# Altium PCB pixracer_pcb_layout_v2.PcbDoc (part 3 of 3)
Units mm, origin at the board's own origin, x right, y up, seen from the top; angles counter-clockwise.
Board outline 44.45 x 44.45 mm, 4 copper layers (Top Layer, Mid Layer 1, Mid Layer 2, Bottom Layer), stack 0.603 mm thick; 139 components, 139 nets, 560 pads, 204 vias.
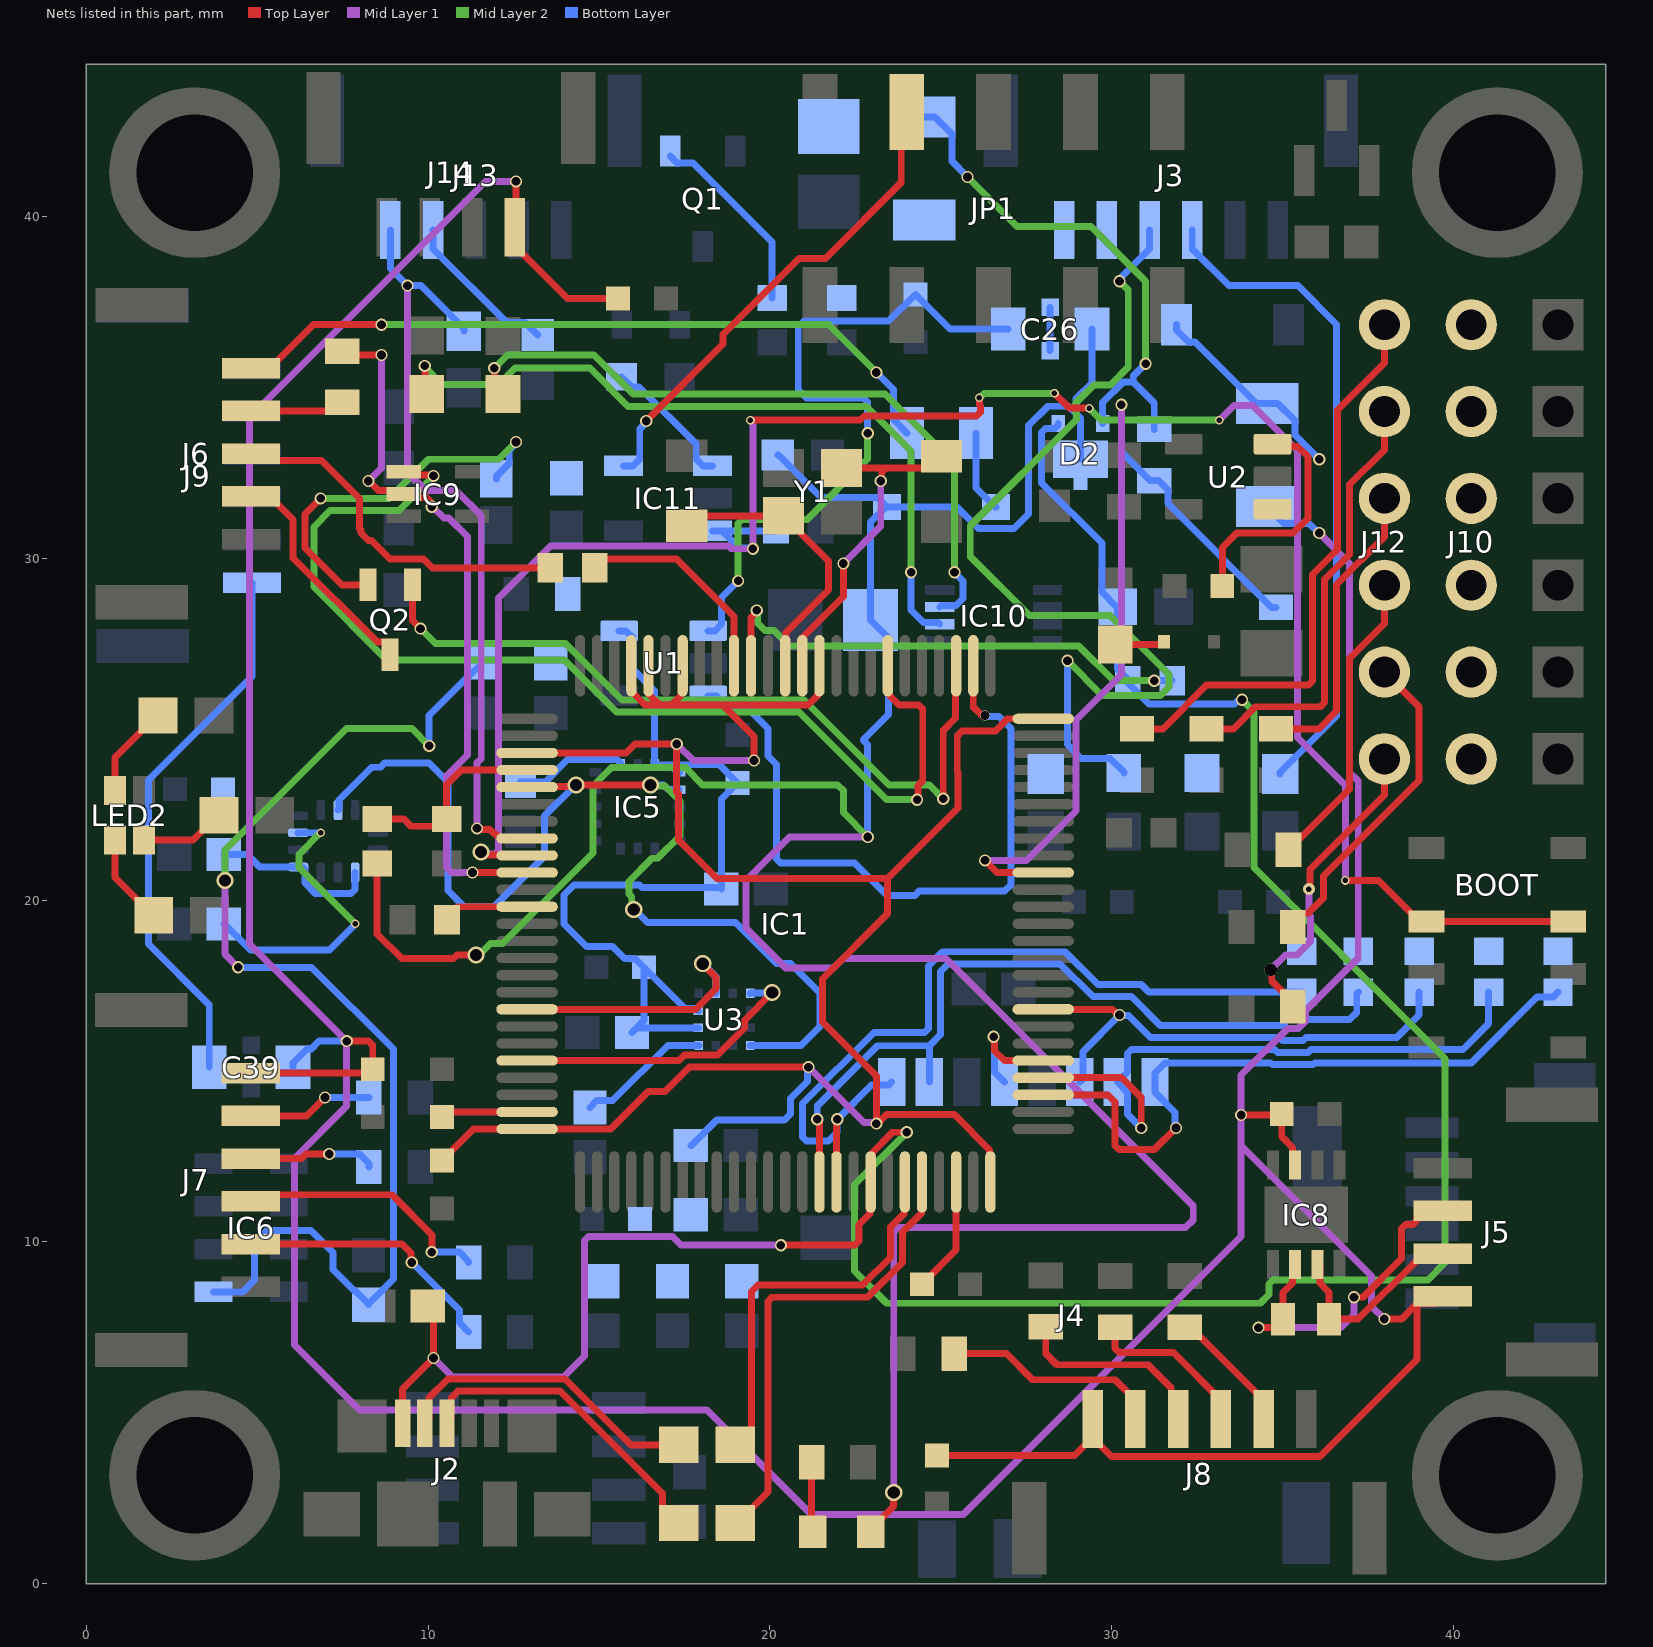
[diagram p5: the nets of this part, all layers, seen from the top]

## Via types
v1: diameter 0.356, hole 0.254, Top Layer to Bottom Layer, tented both sides, 160 vias
v2: diameter 0.5, hole 0.356, Top Layer to Bottom Layer, tented both sides, 26 vias
v3: diameter 0.254, hole 0.16, Top Layer to Bottom Layer, tented both sides, 11 vias
v4: diameter 0.356, hole 0.16, Top Layer to Bottom Layer, tented both sides, 2 vias
v5: diameter 0.3, hole 0.254, Top Layer to Bottom Layer, tented both sides, 2 vias
v6: diameter 0.356, hole 0.356, Top Layer to Bottom Layer, tented both sides, 1 vias
v7: diameter 0.35, hole 0.25, Top Layer to Bottom Layer, tented both sides, 1 vias
v8: diameter 0.35, hole 0.254, Top Layer to Bottom Layer, tented both sides, 1 vias

## Nets (pads, with @x,y where several pads share a name; then routed paths per layer and width w, separated by ;. In a path a pad name is that pad's centre, name@x,y a point inside that pad or via, vN(x,y) a via of type N, cw(c..) or ccw(c..) an arc to the next point about the centre after c; other vN are vias at no path point) (continued)
MPU9250_SCK: IC1.30 IC5.2 pad.13 U3.1 | length 32.9
  Top Layer w0.203: IC1.30@12.897,23.304 12.916,23.323 14.269,23.323 14.351,23.241 14.351,23.253 14.466,23.368 v2(16.51,23.368) ; v2(14.329,23.368) v2@14.404,23.294
  Mid Layer 2 w0.203: v2(16.016,19.725) 15.959,19.782 15.959,20.094 15.875,20.178 15.875,20.545 16.553,21.223 16.716,21.223 17.364,21.871 17.364,22.903 16.928,23.339 16.539,23.339 v2(16.51,23.368)
  Bottom Layer w0.203: pad.13@7.366,22.632 7.39,22.655 7.39,22.93 8.344,23.884 8.606,23.884 8.725,24.003 10.032,24.003 10.058,23.977 10.061,23.977 10.582,23.456 10.582,20.279 11.057,19.804 11.93,19.804 13.408,21.282 13.408,22.466 14.31,23.368 v2(14.329,23.368) ; v2(16.016,19.725) 16.043,19.725 16.422,19.347 18.994,19.347 20.194,18.147 20.6,18.147 21.463,17.284 21.463,16.296 20.915,15.747 U3.1@19.419,15.747 ; v2(16.51,23.368) 16.891,23.368 17.026,23.233 IC5.2@17.346,23.233
NetC1_2: C1.2 IC1.49 | length 2.5
  Top Layer w0.203: C1.2@10.414,13.651 10.567,13.804 IC1.49@12.897,13.804
NetC2_2: C2.2 C8.2 C9.2 C10.2 C11.2 C12.2 C13.2 IC1.11 IC1.19 IC1.21 IC1.22 IC1.28 IC1.50 IC1.75 IC1.100 | length 68.9
  Top Layer w0.203: C12.2@10.414,12.384 11.334,13.304 IC1.50@12.897,13.304 15.345,13.304 16.44,14.399 16.931,14.399 17.644,15.113 v1(21.13,15.113) ; IC1.28@12.897,24.304 15.795,24.304 16.058,24.567 v1(17.272,24.567) 17.272,23.165 17.32,23.116 17.32,21.755 18.446,20.63 23.443,20.63 ; IC1.22@15.947,26.854 15.947,26.104 16.349,25.702 16.781,25.702 ; IC1.21@16.447,26.854 16.466,26.835 16.466,26.018 16.781,25.702 ; IC1.19@17.447,26.854 17.447,26.078 17.399,26.029 17.399,25.988 17.113,25.702 ; v1(19.533,24.08) 19.533,24.79 18.621,25.702 ; IC1.11@21.447,26.854 21.447,26.078 21.399,26.029 21.399,25.988 21.113,25.702 18.621,25.702 ; IC1.75@26.447,11.754 26.428,11.773 26.428,12.688 25.394,13.722 23.415,13.722 23.155,13.462 v1(23.114,13.462) 23.114,14.85 21.536,16.428 21.536,17.693 23.443,19.599 23.443,20.63 ; IC1.100@27.997,25.304 26.955,25.304 26.591,24.94 25.618,24.94 25.479,24.801 25.479,23.754 25.499,23.734 25.499,22.686 23.443,20.63 ; 16.781,25.702 17.113,25.702 ; 17.113,25.702 18.621,25.702
  Mid Layer 1 w0.203: v1(17.272,24.567) 17.759,24.08 v1(19.533,24.08) ; v1(21.13,15.113) 22.752,13.491 23.085,13.491 v1(23.114,13.462)
  Bottom Layer w0.203: C2.2@17.689,12.827 17.708,12.827 18.444,13.563 20.421,13.563 20.602,13.744 20.602,14.192 21.101,14.691 21.101,15.084 v1(21.13,15.113)
NetC7_2: C7.2 IC1.73 | length 3.4
  Top Layer w0.203: C7.2@24.446,8.763 25.447,9.764 IC1.73@25.447,11.754
NetC19_2: C19.2 pad.10 | length 8.7
  Mid Layer 2 w0.203: v3(6.858,21.971) 6.223,21.336 6.223,20.955 v3(7.874,19.304)
  Bottom Layer w0.203: C19.2@4.028,19.304 4.047,19.304 4.809,18.542 7.112,18.542 v3(7.874,19.304) ; pad.10@6.201,21.967 6.203,21.969 6.856,21.969 v3(6.858,21.971)
NetC24_1: C24.1 IC5.14 | length 3.3
  Bottom Layer w0.203: C24.1@12.7,23.46 13.436,23.46 14.085,24.11 15.528,24.11 15.629,24.008 IC5.14@15.629,23.958
NetC26_2: C26.2 C27.1 U1.1 | length 20.8
  Mid Layer 2 w0.203: v1(19.07,29.337) 19.07,31.016 19.189,31.135 21.091,31.135 22.86,32.904 v1(22.86,33.655)
  Bottom Layer w0.203: U1.1@18.191,27.874 18.39,27.874 18.588,28.072 18.588,28.855 v1(19.07,29.337) ; v1(22.86,33.655) 22.86,34.563 22.741,34.682 21.071,34.682 20.828,34.925 20.828,36.767 20.997,36.936 23.474,36.936 C27.1@24.257,37.719 25.273,36.703 C26.2@26.969,36.703
NetC26_3: C26.3 C26.4 | length 1.3
  Bottom Layer w0.203: C26.4@28.194,36.068 C26.3@28.194,37.338
NetC39_2: C39.2 J9.1 | length 16.2
  Bottom Layer w0.203: C39.2@3.601,15.113 3.601,16.936 1.821,18.716 1.821,23.516 4.851,26.546 J9.1@4.851,29.282
NetC41_1: C41.1 D2.1 F1.2 R44.1 | length 15.4
  Mid Layer 2 w0.203: v1(25.781,41.148) 27.232,39.697 29.391,39.697 30.988,38.1 v1(30.988,35.687)
  Bottom Layer w0.203: F1.2@24.511,42.907 24.821,42.907 25.319,42.409 25.319,41.61 v1(25.781,41.148) ; D2.1@29.733,33.943 29.733,34.55 30.334,35.151 30.626,35.151 ; v1(30.988,35.687) 30.626,35.325 30.626,35.151 ; R44.1@31.242,33.77 31.242,34.535 30.626,35.151
NetC48_2: C48.2 U3.4 | length 3.9
  Bottom Layer w0.203: C48.2@14.732,13.934 14.93,14.132 15.402,14.132 17.017,15.747 U3.4@17.919,15.747
NetD1_2: D1.2 R4.2 | length 1.5
  Top Layer w0.203: R4.2@30.099,27.47 31.444,27.47 D1.2@31.533,27.559
NetD4_1: D4.1 F2.1 | length 2.4
  Bottom Layer w0.203: F2.1@26.029,33.655 26.029,32.056 26.589,31.496 D4.1@26.619,31.496
NetIC1_37: IC1.37 R1.1 | length 2.5
  Top Layer w0.203: R1.1@10.557,19.431 10.557,19.484 10.877,19.804 IC1.37@12.897,19.804
NetIC8_6: IC8.6 J5.3 R19.1 | length 10.2
  Top Layer w0.203: v1(34.29,7.493) 34.759,7.493 R19.1@35.007,7.743 R19.1@35.007,7.743 35.007,8.522 35.288,8.804 35.288,9.272 IC8.6@35.362,9.345 ; v1(37.084,8.382) 37.347,8.382 38.479,9.514 38.479,10.398 38.597,10.517 38.811,10.517 38.93,10.635 38.93,10.714 38.966,10.75 J5.3@39.678,10.75
  Mid Layer 1 w0.203: v1(34.29,7.493) 36.703,7.493 37.084,7.874 v1(37.084,8.382)
NetIC8_7: IC8.7 J5.2 R19.2 | length 5.5
  Top Layer w0.203: IC8.7@36.012,9.345 36.086,9.272 36.086,8.794 36.357,8.522 R19.2@36.357,7.743 37.207,7.743 38.928,9.464 39.342,9.464 J5.2@39.357,9.478
NetIC10_6: IC10.6 R23.2 | length 22.2
  Top Layer w0.203: v1(9.906,35.625) 9.906,34.861 R23.2@9.96,34.808
  Mid Layer 2 w0.203: v1(9.906,35.625) 9.906,35.59 10.41,35.086 12.074,35.086 12.548,35.56 14.738,35.56 15.855,34.443 22.825,34.443 24.13,33.138 v1(24.13,29.591)
  Bottom Layer w0.203: v1(24.13,29.591) 24.13,28.478 24.489,28.119 24.92,28.119 IC10.6@24.968,28.071
NetIC10_7: IC10.7 R22.2 | length 20.6
  Top Layer w0.203: v1(11.938,35.56) 11.938,35.052 R22.2@12.192,34.798
  Mid Layer 2 w0.203: v1(11.938,35.56) 12.319,35.941 14.859,35.941 16.002,34.798 23.368,34.798 25.4,32.766 v1(25.4,29.591)
  Bottom Layer w0.203: IC10.7@24.968,28.571 25.016,28.619 25.447,28.619 25.645,28.817 25.645,29.333 25.4,29.577 v1(25.4,29.591)
NetJ2_2: J2.2 R6.1 | length 9.1
  Top Layer w0.203: J2.2@9.906,4.699 10.029,4.822 10.029,5.443 10.58,5.993 14.006,5.993 15.936,4.064 R6.1@17.334,4.064
NetJ2_3: J2.3 R7.1 | length 9.4
  Top Layer w0.203: J2.3@10.556,4.699 10.68,4.822 10.68,5.443 10.877,5.64 13.86,5.64 16.856,2.644 16.856,2.208 17.286,1.778 R7.1@17.334,1.778
NetJ3_3: J3.3 R8.1 R10.1 | length 27.8
  Mid Layer 2 w0.203: v1(28.702,27.003) 29.718,25.987 31.42,25.987 31.671,26.238 31.671,26.594 29.944,28.321 27.587,28.321 25.86,30.048 25.86,30.948 28.967,34.056 28.967,34.224 28.959,34.232 28.959,34.546 29.48,35.067 29.959,35.067 30.48,35.588 30.48,37.846 v1(30.226,38.1)
  Bottom Layer w0.203: v1(28.702,27.003) 28.702,24.547 29.103,24.146 29.948,24.146 30.353,23.741 R8.1@30.353,23.711 ; v1(30.226,38.1) 30.226,38.172 31.103,39.049 J3.3@31.103,39.599
NetJ3_4: J3.4 R9.1 R11.1 | length 19.5
  Bottom Layer w0.203: J3.4@32.353,39.599 32.353,39.049 33.431,37.971 35.443,37.971 36.576,36.838 36.576,25.386 34.925,23.735 R11.1@34.925,23.687
NetJ6_2: J6.2 R20.2 | length 2.8
  Top Layer w0.203: J6.2@4.826,34.31 7.247,34.31 R20.2@7.493,34.556
NetJ6_3: J6.3 R21.1 | length 10.7
  Top Layer w0.203: J6.3@4.826,33.06 5.024,32.862 6.889,32.862 8.001,31.75 8.001,30.861 8.038,30.824 8.038,30.735 8.26,30.514 8.348,30.514 8.89,29.972 9.871,29.972 10.125,29.718 R21.1@13.573,29.718
NetJ7_2: J7.2 R24.2 | length 3.7
  Top Layer w0.203: J7.2@4.815,13.686 6.447,13.686 v1(6.985,14.224)
  Bottom Layer w0.203: v1(6.985,14.224) R24.2@8.267,14.224
NetJ7_3: J7.3 R25.2 | length 3.7
  Top Layer w0.203: J7.3@4.815,12.436 6.299,12.436 6.436,12.573 v1(7.112,12.573)
  Bottom Layer w0.203: v1(7.112,12.573) 7.993,12.573 8.267,12.3 R25.2@8.267,12.192
NetJ7_4: J7.4 R26.2 | length 7.6
  Top Layer w0.203: J7.4@4.815,11.186 5.009,11.38 8.94,11.38 10.11,10.21 v1(10.11,9.702)
  Bottom Layer w0.203: v1(10.11,9.702) 10.914,9.702 11.188,9.428 R26.2@11.188,9.398
NetJ7_5: J7.5 R27.2 | length 7.8
  Top Layer w0.203: J7.5@4.815,9.936 9.237,9.936 9.496,9.677 9.496,9.427 v1(9.525,9.398)
  Bottom Layer w0.203: v1(9.525,9.398) 10.914,8.009 10.914,7.639 R27.2@11.188,7.366
NetJ8_2: J8.2 R28.2 | length 6.4
  Top Layer w0.203: R28.2@25.388,6.731 26.924,6.731 27.686,5.969 30.094,5.969 30.687,5.376 J8.2@30.687,4.826
NetJ8_3: J8.3 R29.2 | length 5.9
  Top Layer w0.203: R29.2@28.067,7.517 28.067,6.731 28.389,6.409 31.056,6.409 31.739,5.727 31.739,5.024 J8.3@31.937,4.826
NetJ8_4: J8.4 R30.2 | length 4.9
  Top Layer w0.203: R30.2@30.099,7.505 30.099,6.881 30.218,6.762 31.801,6.762 33.187,5.376 J8.4@33.187,4.826
NetJ8_5: J8.5 R31.2 | length 3.7
  Top Layer w0.203: R31.2@32.131,7.505 32.404,7.231 32.582,7.231 34.437,5.376 J8.5@34.437,4.826
NetJ12_1: J12.1 R34.1 | length 9.1
  Top Layer w0.203: v6(34.648,17.962) 34.677,17.933 34.677,17.633 35.021,17.29 35.021,17.164 R34.1@35.294,16.891 ; v4(35.766,20.32) 35.794,20.348 35.794,20.889 37.973,23.068 J12.1@37.973,24.13
  Mid Layer 1 w0.203: v6(34.648,17.962) 35.08,18.394 35.412,18.394 35.814,18.796 35.814,19.513 35.766,19.562 v4(35.766,20.32)
NetJ12_2: J12.2 R35.1 | length 9.5
  Top Layer w0.203: R35.1@35.294,19.177 35.294,19.341 35.568,19.615 35.744,19.615 36.195,20.066 36.195,20.701 38.989,23.495 38.989,25.654 J12.2@37.973,26.67
NetJ12_3: J12.3 R36.1 | length 9
  Top Layer w0.203: R36.1@35.167,21.336 35.167,21.461 36.957,23.251 36.957,27.07 37.973,28.086 J12.3@37.973,29.21
NetJ12_4: J12.4 R37.1 | length 8.8
  Top Layer w0.203: R37.1@34.798,25.007 36.056,25.007 36.576,25.527 36.576,29.229 37.973,30.626 J12.4@37.973,31.75
NetJ12_5: J12.5 R38.1 | length 13
  Top Layer w0.203: R38.1@32.766,25.007 33.561,25.007 34.208,25.654 36.104,25.654 36.223,25.773 36.223,29.376 36.957,30.11 36.957,32.15 37.973,33.166 J12.5@37.973,34.29
NetJ12_6: J12.6 R39.1 | length 17
  Top Layer w0.203: R39.1@30.734,25.007 31.492,25.007 32.774,26.289 35.751,26.289 35.87,26.408 35.87,29.522 36.604,30.256 36.604,34.337 37.973,35.706 J12.6@37.973,36.83
NetJ13_2: J13.2 R41.2 | length 4.7
  Bottom Layer w0.203: J13.2@10.148,39.599 10.148,39.049 12.302,36.895 12.842,36.895 R41.2@13.208,36.529
NetLED1_1: LED1.1 R46.1 | length 2
  Top Layer w0.203: R46.1@21.221,3.556 21.221,1.551 LED1.1@21.248,1.524
NetLED2_1: LED2.1 R52.1 | length 2.5
  Top Layer w0.203: LED2.1@1.695,21.754 3.122,21.754 3.847,22.479 R52.1@3.884,22.479
NetLED2_2: LED2.2 R51.1 | length 2.7
  Top Layer w0.203: LED2.2@0.845,21.754 0.845,20.655 1.942,19.558 R51.1@1.979,19.558
NetLED2_3: LED2.3 R50.1 | length 2.7
  Top Layer w0.203: LED2.3@0.845,23.204 0.845,24.176 2.069,25.4 R50.1@2.106,25.4
NetQ1_1: Q1.1 R48.2 R49.1 | length 5.7
  Bottom Layer w0.203: Q1.1@17.084,41.763 17.282,41.564 17.745,41.564 20.066,39.243 R49.1@20.066,37.608
NetR14_2: R14.2 R15.1 R16.1 R17.1 R18.1
nMAG_CS: IC1.46 U3.10 | length 8.8
  Top Layer w0.203: IC1.46@12.897,15.304 17.336,15.304 17.498,15.466 18.466,15.466 19.251,16.252 19.251,16.478 v2(20.066,17.292)
  Bottom Layer w0.203: U3.10@19.419,17.273 19.429,17.283 20.056,17.283 v2(20.066,17.292)
nMAG_DRDY: IC1.43 U3.8 | length 7.7
  Top Layer w0.203: IC1.43@12.897,16.804 17.82,16.804 18.421,17.405 18.421,17.743 18.034,18.13 v2(18.034,18.139)
  Bottom Layer w0.203: v2(18.034,18.139) 18.045,18.139 18.42,17.764 18.42,17.274 U3.8@18.419,17.273
OSC_IN: C3.1 IC1.12 Y1.3 | length 9.9
  Top Layer w0.203: IC1.12@20.947,26.854 20.966,26.873 20.966,27.697 22.149,28.88 v1(22.149,29.845) ; Y1.3@22.098,32.639 23.39,32.639 ; v1(23.241,32.258) 23.27,32.287 23.27,32.519 23.39,32.639 ; C3.1@25.022,32.978 24.682,32.639 23.39,32.639
  Mid Layer 1 w0.203: v1(22.149,29.845) 23.241,30.937 v1(23.241,32.258)
OSC_OUT: C4.2 IC1.13 Y1.1 | length 8.4
  Top Layer w0.203: C4.2@17.567,30.95 17.856,31.239 20.448,31.239 20.896,30.79 20.896,30.74 21.717,29.92 21.717,29.074 20.466,27.823 20.466,26.873 IC1.13@20.447,26.854
OTG_FS_DM: IC1.70 R6.2 | length 11.6
  Top Layer w0.203: R6.2@18.988,4.064 19.036,4.064 19.466,4.494 19.466,8.552 19.649,8.735 22.714,8.735 23.523,9.544 23.523,10.433 23.928,10.839 23.928,11.735 IC1.70@23.947,11.754
OTG_FS_DP: IC1.71 R7.2 | length 13.9
  Top Layer w0.203: R7.2@18.988,1.778 19.036,1.778 19.939,2.681 19.939,8.263 20.058,8.382 22.86,8.382 23.876,9.398 23.876,10.287 24.428,10.839 24.428,11.735 IC1.71@24.447,11.754
RC_INPUT: IC1.35 IC9.2 R20.1 | length 21
  Top Layer w0.203: R20.1@7.493,36.056 7.608,35.941 v1(8.636,35.941) ; v1(8.255,32.258) 8.269,32.258 8.551,31.975 9.189,31.975 9.385,31.779 9.959,31.779 10.077,31.661 10.077,31.533 v1(10.106,31.503) ; v1(11.3,20.804) IC1.35@12.897,20.804
  Mid Layer 1 w0.203: v1(8.255,32.258) 8.636,32.639 v1(8.636,35.941) ; v1(10.106,31.503) 10.136,31.503 10.462,31.177 10.606,31.177 11.152,30.631 11.152,24.239 10.541,23.628 10.541,20.947 10.684,20.804 v1(11.3,20.804)
RSSI_IN: IC1.16 R21.2 | length 6.3
  Top Layer w0.203: R21.2@14.875,29.718 15.129,29.972 17.272,29.972 18.947,28.297 IC1.16@18.947,26.854
SAFETY_SWITCH_IN: IC1.33 J13.1 R40.1 | length 23
  Top Layer w0.203: v1(11.43,22.098) 11.459,22.069 11.814,22.069 11.981,21.902 12.022,21.902 12.121,21.804 IC1.33@12.897,21.804
  Mid Layer 1 w0.203: v1(9.398,37.973) 9.398,32.512 9.934,31.976 10.823,31.976 11.557,31.242 11.557,24.145 11.43,24.018 v1(11.43,22.098)
  Bottom Layer w0.203: J13.1@8.898,39.599 8.898,38.473 v1(9.398,37.973) 9.79,37.973 11.049,36.714 R40.1@11.049,36.641
SBUS_INV: IC1.7 IC9.1 | length 31.8
  Top Layer w0.203: IC9.1@9.287,32.527 9.377,32.437 10.131,32.437 v1(10.16,32.407) ; IC1.7@23.447,26.854 23.447,26.078 23.495,26.029 23.495,25.988 23.781,25.702 24.352,25.702 24.471,25.584 24.471,23.491 24.335,23.355 24.335,22.965 v1(24.305,22.936)
  Mid Layer 2 w0.203: v1(10.16,32.407) 9.148,31.395 7.138,31.395 6.66,30.917 6.66,29.154 8.789,27.025 13.99,27.025 15.514,25.501 20.727,25.501 20.729,25.499 20.847,25.499 23.41,22.936 v1(24.305,22.936)
SDIO_CK: IC1.80 J4.5 | length 3.4
  Top Layer w0.203: v1(26.543,16.002) 26.572,15.973 26.572,15.592 26.86,15.304 IC1.80@27.997,15.304
  Bottom Layer w0.203: v1(26.543,16.002) 26.563,15.982 26.563,14.977 J4.5@26.862,14.678
SDIO_CMD: IC1.83 J4.3 R17.2 | length 14.8
  Top Layer w0.203: IC1.83@27.997,16.804 30.018,16.804 30.185,16.637 v1(30.226,16.637)
  Bottom Layer w0.203: J4.3@29.062,14.678 29.153,14.769 29.153,15.564 v1(30.226,16.637) 30.237,16.626 30.491,16.626 31.134,15.983 34.903,15.983 34.991,15.894 35.597,15.894 35.685,15.983 38.335,15.983 38.989,16.637 R17.2@38.989,17.306
SDIO_D0: IC1.65 J4.7 R18.2 | length 23.5
  Top Layer w0.203: v1(21.384,13.589) 21.384,13.548 21.447,13.485 IC1.65@21.447,11.754
  Bottom Layer w0.203: v1(21.384,13.589) 21.384,13.976 23.147,15.738 24.662,15.738 ; J4.7@24.662,14.678 24.662,15.738 ; R18.2@37.211,17.306 37.164,17.259 37.164,16.717 36.957,16.51 35.713,16.51 35.451,16.247 35.137,16.247 35.049,16.335 31.417,16.335 30.579,17.173 29.445,17.173 28.483,18.135 25.21,18.135 24.991,17.916 24.991,16.067 24.662,15.738
SDIO_D1: IC1.66 J4.8 R14.1 | length 24.4
  Top Layer w0.203: IC1.66@21.947,11.754 21.947,13.551 21.971,13.575 v1(21.971,13.589)
  Bottom Layer w0.203: v1@21.961,13.579 21.961,13.198 21.717,12.954 21.074,12.954 20.955,13.073 20.955,14.046 23.038,16.129 24.519,16.129 24.638,16.248 24.638,18.071 25.055,18.488 28.629,18.488 29.591,17.526 30.861,17.526 31.081,17.306 R14.1@35.56,17.306 ; v1(21.971,13.589) 22.976,14.594 23.478,14.594 J4.8@23.562,14.678
SDIO_D2: IC1.78 J4.1 R15.2 | length 20.2
  Top Layer w0.203: IC1.78@27.997,14.304 29.892,14.304 30.099,14.097 30.099,12.819 30.218,12.7 31.242,12.7 v1(31.877,13.335)
  Bottom Layer w0.203: v1(31.877,13.335) 31.848,13.364 31.848,13.792 31.262,14.378 31.262,14.941 31.561,15.24 34.647,15.24 34.699,15.188 35.889,15.188 35.941,15.24 40.513,15.24 42.438,17.165 42.912,17.165 R15.2@43.053,17.306
SDIO_D3: IC1.79 J4.2 R16.2 | length 18.5
  Top Layer w0.203: IC1.79@27.997,14.804 30.281,14.804 30.861,14.224 v1(30.861,13.335)
  Bottom Layer w0.203: v1(30.861,13.335) 30.461,13.735 30.461,14.379 J4.2@30.162,14.678 30.454,14.97 30.454,15.511 30.573,15.63 34.757,15.63 34.845,15.541 35.743,15.541 35.831,15.63 40.268,15.63 41.021,16.383 R16.2@41.021,17.306
SPEKTRUM_POWER: IC1.3 Q2.1 | length 22.8
  Top Layer w0.203: Q2.1@9.54,29.219 9.54,28.179 v1(9.779,27.94) ; v1(25.07,22.964) 25.07,24.963 25.428,25.322 25.428,26.835 IC1.3@25.447,26.854
  Mid Layer 2 w0.203: v1(9.779,27.94) 10.216,27.503 14.026,27.503 15.675,25.854 20.991,25.854 23.48,23.366 24.668,23.366 v1(25.07,22.964)
VBUS: C32.2 D2.2 IC1.68 J2.1 R42.1 R43.1 | length 79
  Top Layer w0.203: J2.1@9.256,4.699 9.256,5.7 v1(10.16,6.604) 10.16,7.965 C32.2@9.997,8.128 ; v1(20.32,9.906) 22.487,9.906 22.606,10.025 22.606,10.515 22.928,10.837 22.928,10.959 22.947,10.978 22.947,12.53 22.995,12.579 22.995,12.62 23.583,13.208 v1(24.003,13.208)
  Mid Layer 1 w0.203: v1(10.16,6.604) 10.716,6.048 13.963,6.048 14.58,6.665 14.58,10.041 14.699,10.16 17.151,10.16 17.405,9.906 v1(20.32,9.906)
  Mid Layer 2 w0.203: v1(24.003,13.208) 22.479,11.684 22.479,9.144 23.417,8.207 34.341,8.207 34.592,8.458 34.592,8.771 34.711,8.89 39.243,8.89 39.751,9.398 39.751,15.367 36.914,18.204 36.914,18.21 36.486,18.638 36.48,18.638 34.163,20.955 34.163,25.503 v1(33.807,25.86)
  Bottom Layer w0.203: D2.2@28.433,33.943 28.433,33.893 28.335,33.795 28.059,33.795 27.94,33.676 27.94,32.205 29.707,30.438 29.707,29.005 30.136,28.575 R43.1@30.173,28.575 30.173,26.76 30.464,26.469 R42.1@30.464,26.416 30.464,26.363 31.094,25.733 33.594,25.733 33.69,25.83 33.777,25.83 v1(33.807,25.86)
VBUS_VALID: IC1.15 R42.2 | length 14.9
  Top Layer w0.203: IC1.15@19.447,26.854 19.447,28.266 19.613,28.432 v1(19.613,28.473)
  Mid Layer 2 w0.203: v1(19.613,28.473) 19.642,28.444 19.642,28.103 19.861,27.884 20.122,27.884 20.574,27.432 29.034,27.432 30.05,26.416 v1(31.242,26.416)
  Bottom Layer w0.203: v1(31.242,26.416) R42.2@31.766,26.416
VDD_3V3_PERIPH: C44.1 C45.1 IC11.5 JP1.7 Q2.2 | length 26
  Top Layer w0.203: v1(6.858,31.75) 6.404,31.296 6.404,30.299 7.484,29.219 Q2.2@8.24,29.219 ; v1(16.383,34.014) 18.631,36.261 18.631,36.546 20.849,38.764 21.619,38.764 23.842,40.987 23.842,42.892 JP1.7@24.003,43.053
  Mid Layer 2 w0.203: v1(6.858,31.75) 8.863,31.75 10.006,32.893 12.065,32.893 v1(12.573,33.401)
  Bottom Layer w0.203: C44.1@11.998,32.322 11.998,32.396 12.376,32.774 12.376,33.162 12.573,33.36 v1(12.573,33.401) ; IC11.5@15.718,32.7 15.993,32.7 16.191,32.898 16.191,33.781 16.383,33.972 v1(16.383,34.014)
VDD_3V3_PERIPH_EN: BOOT.3 BOOT.4 IC1.34 IC11.3 R53.1 | length 62.1
  Top Layer w0.203: v2(11.552,21.406) 11.632,21.406 11.716,21.323 12.878,21.323 IC1.34@12.897,21.304 ; v3(19.431,34.036) 22.634,34.036 22.761,34.163 26.043,34.163 26.162,34.282 26.162,34.45 26.132,34.48 26.132,34.682 v3(26.123,34.692) ; v3(28.321,34.823) 28.755,34.389 v3(29.337,34.389) ; v3(36.83,20.574) 37.798,20.574 39,19.372 BOOT.4@43.35,19.372
  Mid Layer 1 w0.203: v2(11.552,21.406) 11.609,21.349 11.904,21.349 11.917,21.336 11.944,21.336 12.063,21.455 12.063,28.83 13.586,30.353 18.797,30.353 18.875,30.276 v1(19.5,30.276) 19.5,33.953 19.431,34.022 v3(19.431,34.036) ; v3(33.147,34.036) 33.571,34.46 34.12,34.46 35.428,33.152 35.428,24.759 36.83,23.357 v3(36.83,20.574)
  Mid Layer 2 w0.203: v3(26.123,34.692) 26.136,34.692 26.267,34.823 v3(28.321,34.823) ; v3(29.337,34.389) 29.69,34.036 v3(33.147,34.036)
  Bottom Layer w0.203: IC11.3@18.318,30.8 IC11.3@18.593,30.8 ; v1(19.5,30.276) 19.471,30.305 19.088,30.305 IC11.3@18.593,30.8 ; R53.1@20.177,30.861 20.116,30.8 IC11.3@18.593,30.8
VDD_3V3_SENSORS: C17.2 C18.2 C22.2 C23.2 C25.1 C28.2 C29.1 C46.2 C47.2 IC5.1 IC5.16 IC6.1 pad.5 pad.8 R5.2 U1.5 U3.5 U3.6 | length 65.8
  Mid Layer 1 w0.203: v2(4.064,20.574) 4.064,18.415 v1(4.445,18.034)
  Mid Layer 2 w0.203: v2(4.064,20.574) 4.064,21.463 7.62,25.019 9.525,25.019 v1(10.033,24.511)
  Bottom Layer w0.203: IC6.1@3.726,8.539 4.581,8.539 4.926,8.885 4.926,9.995 5.272,10.34 6.58,10.34 7.226,9.694 7.226,9.193 7.853,8.566 7.872,8.566 C25.1@8.255,8.183 ; v2(4.064,20.574) 4.064,21.3 C18.2@4.028,21.336 4.036,21.327 4.717,21.327 5.077,20.967 pad.8@6.201,20.967 6.321,20.967 6.395,20.893 6.395,20.499 6.701,20.193 7.747,20.193 7.866,20.312 pad.5@7.866,20.802 ; v1(4.445,18.034) 6.595,18.034 8.991,15.639 8.991,8.919 C25.1@8.255,8.183 ; C25.1@8.255,8.164 C25.1@8.255,8.183 ; v1(10.033,24.511) 10.033,25.401 11.179,26.548 11.202,26.548 11.557,26.902 C29.1@11.557,26.925 ; U1.5@15.591,27.874 15.79,27.874 15.988,27.675 15.988,26.752 16.629,26.112 IC5.16@16.629,23.958 17.079,23.958 ; C46.2@15.966,16.129 C46.2@16.097,16.26 ; IC5.1@17.354,23.733 17.304,23.733 17.079,23.958 ; U3.5@17.906,16.26 C46.2@16.097,16.26 ; U3.6@17.906,16.76 17.833,16.833 17.522,16.833 C47.2@16.321,18.034 ; C46.2@16.097,16.26 16.321,16.484 C47.2@16.321,18.034 ; C47.2@16.321,18.034 16.073,18.283 15.959,18.283 15.954,18.288 15.748,18.288 15.4,18.636 14.638,18.636 13.976,19.298 13.976,20.147 14.27,20.441 16.187,20.441 16.259,20.368 18.53,20.368 C23.2@18.578,20.32 18.578,22.958 C22.2@19.05,23.43 18.522,23.958 17.079,23.958
VDD_3V3_SENSORS_EN: IC1.2 U1.3 | length 20.6
  Top Layer w0.203: IC1.2@25.947,26.854 25.947,25.65 26.167,25.429 26.26,25.429 v5(26.289,25.4)
  Bottom Layer w0.203: U1.3@18.191,25.974 18.441,25.974 18.888,25.527 19.431,25.527 19.939,25.019 19.939,24.22 20.193,23.966 20.193,21.201 20.312,21.082 22.479,21.082 23.429,20.132 24.237,20.132 24.368,20.263 26.867,20.263 27.051,20.447 27.051,25.019 26.699,25.371 26.318,25.371 v5(26.289,25.4)
VDD_3V3_SPEKTRUM: J6.4 Q2.3 | length 6.8
  Top Layer w0.203: J6.4@4.826,31.81 5.376,31.81 6.049,31.137 6.049,30.01 8.517,27.542 8.742,27.542 8.89,27.394 Q2.3@8.89,27.169
VDD_5V_BRICK: F1.1 J3.1 J3.2
VDD_5V_IN: C14.2 C26.1 C42.1 C43.1 D2.3 D2.4 D3.1 D4.2 F3.1 IC11.1 LED1.2 R12.1 R47.1 U2.1 U2.3 | length 106.2
  Top Layer w0.203: R12.1@8.509,21.066 8.509,19.012 9.233,18.288 10.748,18.288 10.848,18.389 v2(11.404,18.389) ; LED1.2@22.948,1.524 22.948,1.599 23.612,2.263 23.612,2.657 v2(23.622,2.667) ; C14.2@33.231,29.182 33.231,30.31 33.655,30.734 35.306,30.734 35.738,31.166 35.738,32.969 35.437,33.27 34.766,33.27 U2.3@34.701,33.335
  Mid Layer 1 w0.203: v1(22.86,21.844) 20.574,21.844 19.304,20.574 19.304,19.177 20.193,18.288 20.463,18.018 21.862,18.018 22.131,18.288 25.146,18.288 32.383,11.051 32.383,10.638 32.161,10.416 23.741,10.416 23.622,10.298 v2(23.622,2.667)
  Mid Layer 2 w0.203: v2(11.404,18.389) 11.484,18.389 11.821,18.725 12.174,18.725 14.831,21.382 14.831,23.34 15.367,23.876 17.526,23.876 18.034,23.368 21.979,23.368 22.146,23.201 22.146,22.558 v1(22.86,21.844)
  Bottom Layer w0.203: R47.1@15.66,35.306 15.958,35.007 16.174,35.007 17.845,33.336 17.845,32.898 18.043,32.7 IC11.1@18.318,32.7 ; C43.1@20.228,33.02 20.251,33.02 21.497,31.775 23.14,31.775 D4.2@23.419,31.496 ; v1(22.86,21.844) 22.86,24.547 22.733,24.674 22.733,24.693 23.469,25.429 23.469,27.671 C42.1@22.945,28.194 22.945,31.052 23.389,31.496 D4.2@23.419,31.496 ; 28.959,34.232 28.959,34.665 29.419,35.126 C26.1@29.419,36.703 ; D2.3@29.083,32.893 29.083,34.099 28.954,34.228 28.737,34.445 28.129,34.445 27.559,33.875 27.559,31.29 27.133,30.864 26.105,30.864 25.473,31.496 D4.2@23.419,31.496 ; D3.1@31.893,36.83 31.893,36.675 32.246,36.321 32.438,36.321 34.234,34.525 F3.1@34.544,34.525 34.854,34.525 35.352,34.027 35.352,33.609 v1(36.068,32.893)
VDD_5V_PERIPH: C36.2 C37.1 C38.1 C39.1 C40.1 F3.2 IC8.3 J5.1 J7.1 J8.1 J14.1 | length 139.4
  Top Layer w0.203: J7.1@4.815,14.936 8.267,14.936 C37.1@8.382,15.051 8.382,15.748 8.255,15.875 v1(7.62,15.875) ; v1(12.573,41.021) 12.573,39.708 J14.1@12.543,39.678 12.543,39.128 14.079,37.592 C40.1@15.556,37.592 ; C38.1@24.892,3.748 28.909,3.748 J8.1@29.437,4.276 ; J8.1@29.437,4.826 J8.1@29.437,4.276 ; v1(33.782,13.716) 34.948,13.716 C36.2@34.97,13.738 34.97,13.084 35.288,12.765 35.288,12.318 IC8.3@35.362,12.245 ; v1(37.973,7.747) 38.481,7.747 J5.1@38.93,8.196 ; J5.1@39.709,8.482 39.709,8.448 39.457,8.196 J5.1@38.93,8.196 ; J8.1@29.437,4.276 29.988,3.724 36.091,3.724 38.93,6.563 J5.1@38.93,8.196
  Mid Layer 1 w0.203: v1(12.573,41.021) 11.684,41.021 4.783,34.12 4.783,18.712 v1(7.62,15.875) 7.62,13.97 6.096,12.446 6.096,6.985 8.001,5.08 18.161,5.08 21.209,2.032 25.654,2.032 33.782,10.16 33.782,12.827 ; v1(36.068,30.734) 36.955,29.847 36.955,23.732 37.209,23.478 37.209,18.309 35.673,16.773 35.673,16.469 35.451,16.247 35.147,16.247 33.782,14.883 v1(33.782,13.716) 33.782,12.827 ; v1(37.973,7.747) 37.602,8.118 37.602,9.007 33.782,12.827
  Bottom Layer w0.203: C39.1@6.051,15.113 6.051,15.238 6.459,15.646 6.584,15.646 6.813,15.875 v1(7.62,15.875) ; F3.2@34.544,31.515 35.043,31.016 35.772,31.016 36.054,30.734 v1(36.068,30.734)
VDD_5V_RECEIVER: F2.2 J6.1 | length 21.5
  Top Layer w0.203: J6.1@4.826,35.56 5.376,35.56 6.646,36.83 v1(8.636,36.83)
  Mid Layer 2 w0.203: v1(8.636,36.83) 21.717,36.83 v1(23.114,35.433)
  Bottom Layer w0.203: v1(23.114,35.433) 23.61,34.937 23.61,34.054 F2.2@24.009,33.655
VDD_5V_SENS: IC1.29 R12.2 R13.1 | length 5.7
  Top Layer w0.203: R12.2@8.509,22.368 9.294,22.368 9.502,22.16 10.333,22.16 R13.1@10.541,22.368 10.541,23.368 10.977,23.804 IC1.29@12.897,23.804
VDD_BRICK_VALID: IC1.91 R44.2 R45.1 | length 25.6
  Top Layer w0.203: v1(26.289,21.161) 26.646,20.804 IC1.91@27.997,20.804
  Mid Layer 1 w0.203: v1(26.289,21.161) 27.511,21.161 28.956,22.606 28.956,25.273 30.28,26.597 v1(30.28,34.49)
  Bottom Layer w0.203: v1(30.28,34.49) 30.28,33.107 31.117,32.27 31.367,32.27 31.641,31.996 31.641,31.595 34.673,28.563 R45.1@34.798,28.563
VDD_SERVO: J10.1 J10.2 J10.3 J10.4 J10.5 J10.6
pads on no net: IC1.51 IC1.52 IC1.63 IC6.4 IC11.4 J1.MP1 J1.MP2 J2.4 J2.8 J2.9 J2.10 J2.11 J3.7 J3.8 J4.CD1 J4.MP1 J5.5 J5.6 J6.6 J6.7 J7.7 J7.8 J8.7 J8.8 J9.7 J9.8 J13.6 J13.7 J14.5 J14.6 U1.4 U2.4 U3.7

## Polygon pours and split planes (outlines as drawn)
GND on Top Layer "GND_L01_P088" (solid, remove dead copper, pour order 88): 0,44.45 0,0 44.45,0 44.45,44.45
FMU_VBAT on Top Layer "FMU_VBAT_L01_P083" (solid, remove dead copper, pour order 83): 32.322,27.94 35.306,27.94 35.306,27.178 32.575,27.178 32.322,27.432
FMU_VDD_3V3 on Top Layer "FMU_VDD_3V3_L01_P084" (solid, remove dead copper, pour order 84): 37.846,42.164 37.846,38.735 36.703,38.735 36.703,40.005 37.084,40.386 37.084,42.164
VDD_5V_IN on Top Layer "VDD_5V_IN_L01_P085" (solid, remove dead copper, pour order 85): 34.163,33.782 34.163,31.473 32.893,30.353 32.893,28.829 33.655,28.829 35.941,30.734 35.941,33.782
FMU_VDD_3V3 on Top Layer "FMU_VDD_3V3_L01_P086" (solid, remove dead copper, pour order 86): 27.94,32.004 32.512,32.004 32.512,30.861 30.607,28.956 29.591,28.956 29.591,29.845 28.956,30.48 27.94,30.48
VDD_SERVO on Top Layer "VDD_SERVO_L01_P087" (solid, pour order 87): 39.624,37.338 40.005,37.719 41.021,37.719 41.402,37.338 41.402,23.622 41.021,23.241 40.005,23.241 39.624,23.622
GND on Bottom Layer "GND_L04_P104" (solid, remove dead copper, pour order 104): 0,44.45 0,0 44.45,0 44.45,44.45
VDD_5V_IN on Bottom Layer "VDD_5V_IN_L04_P095" (solid, remove dead copper, pour order 95): 15.367,35.814 15.494,35.941 15.875,35.941 18.288,33.528 18.288,32.258 17.907,32.258 15.367,34.798
VDD_5V_IN on Bottom Layer "VDD_5V_IN_L04_P096" (solid, remove dead copper, pour order 96): 29.21,37.592 32.131,37.592 32.131,36.068 32.004,35.941 29.21,35.941
VDD_5V_IN on Bottom Layer "VDD_5V_IN_L04_P103" (solid, remove dead copper, pour order 103): 20.447,33.528 21.971,32.004 25.4,32.004 26.035,31.369 27.305,31.369 27.305,34.036 28.829,35.56 28.829,37.592 30.226,37.592 30.226,35.179 29.591,34.417 29.591,32.258 28.448,32.258 27.813,32.258 27.813,31.115 27.305,30.607 24.257,30.607 23.749,30.099 23.749,23.114 24.384,22.479 24.638,22.479 24.638,21.59 23.114,21.59 23.114,22.86 22.479,23.495 22.479,30.607 22.098,30.607 20.701,32.004 19.812,32.004 19.812,33.528
NetR14_2 on Bottom Layer "NETR14_2_L04_P100" (solid, remove dead copper, pour order 100): 35.306,19.05 43.307,19.05 43.307,18.034 35.306,18.034
VDD_3V3_SENSORS on Bottom Layer "VDD_3V3_SENSORS_L04_P098" (solid, remove dead copper, pour order 98): 13.589,29.21 14.732,29.21 14.732,28.448 14.852,28.328 16.09,28.328 16.09,27.42 15.975,27.305 14.351,27.305 14.351,26.67 10.795,26.67 10.795,27.086 11.522,27.813 13.589,27.813
VDD_3V3_SENSORS on Bottom Layer "VDD_3V3_SENSORS_L04_P089" (solid, remove dead copper, pour order 89): 3.556,23.622 3.556,21.209 4.445,21.209 4.445,23.622
NetQ1_1 on Bottom Layer "NETQ1_1_L04_P090" (solid, remove dead copper, pour order 90): 22.352,38.1 22.352,37.084 19.939,37.084 19.812,37.211 19.812,38.1
VDD_5V_IN on Bottom Layer "VDD_5V_IN_L04_P092" (solid, remove dead copper, pour order 92): 17.78,33.528 20.447,33.528 20.447,32.258 17.78,32.258
NetJ3_3 on Bottom Layer "NETJ3_3_L04_P093" (solid, remove dead copper, pour order 93): 27.813,24.384 30.607,24.384 30.607,22.987 27.813,22.987
NetJ3_4 on Bottom Layer "NETJ3_4_L04_P094" (solid, remove dead copper, pour order 94): 32.385,24.384 32.258,24.257 32.258,23.241 32.512,22.987 35.179,22.987 35.306,23.114 35.306,24.257 35.179,24.384
VDD_3V3_PERIPH on Bottom Layer "VDD_3V3_PERIPH_L04_P097" (solid, remove dead copper, pour order 97): 11.43,33.147 11.557,33.274 16.002,33.274 16.383,32.893 16.383,31.877 11.43,31.877
NetC41_1 on Bottom Layer "NETC41_1_L04_P099" (solid, remove dead copper, pour order 99): 21.018,43.561 25.209,43.561 25.209,41.783 21.018,41.783
VDD_5V_BRICK on Bottom Layer "VDD_5V_BRICK_L04_P101" (solid, pour order 101): 23.749,40.64 30.226,40.64 30.226,38.608 28.321,38.608 27.813,39.116 23.749,39.116
NetC2_2 on Bottom Layer "NETC2_2_L04_P102" (solid, remove dead copper, pour order 102): 17.145,13.081 17.018,12.954 17.018,11.43 16.256,11.43 15.748,10.922 15.748,9.779 15.24,9.779 14.859,9.398 14.859,8.255 19.558,8.255 19.558,9.525 18.542,9.525 18.288,9.779 18.288,13.081
GND on Mid Layer 1 "GND_L02_P105" (solid, remove dead copper, pour order 105): 0,0 0,44.45 44.45,44.45 44.45,0
GND on Mid Layer 2 "*" (solid, remove dead copper, pour order 106): 0,0 0,44.45 44.45,44.45 44.45,0

## Silkscreen, mask and mechanical layers (free items; w line width, h text height)
Bottom Overlay:
  circle w0.2: c9.371,22.352 r0.1
  circle w0.254: c17.907,23.749 r0.127
  lines w0.127: 5.866,20.467 6.376,20.467 ; 5.866,22.967 6.376,22.967 ; 8.356,20.467 8.866,20.467 ; 8.356,22.967 8.866,22.967
  text "By HECKE 15/12" at 0.696,14.986 h1 r270
  text "QUT_PixRacer_V2" at 0.686,6.477 h1 r270
Mechanical 1:
  the board outline again, w0
Mechanical 13:
  circle w0.2: c9.366,22.517 r0.1
  lines w0.127: 5.866,20.467 5.866,22.967 8.866,22.967 8.866,20.467 5.866,20.467
Mechanical 15:
  lines w0.05: 5.616,20.217 5.616,23.217 9.116,23.217 9.116,20.217 5.616,20.217